# Altium PCB 3-as-manufactured.pcbdoc (part 7 of 12) (continued)
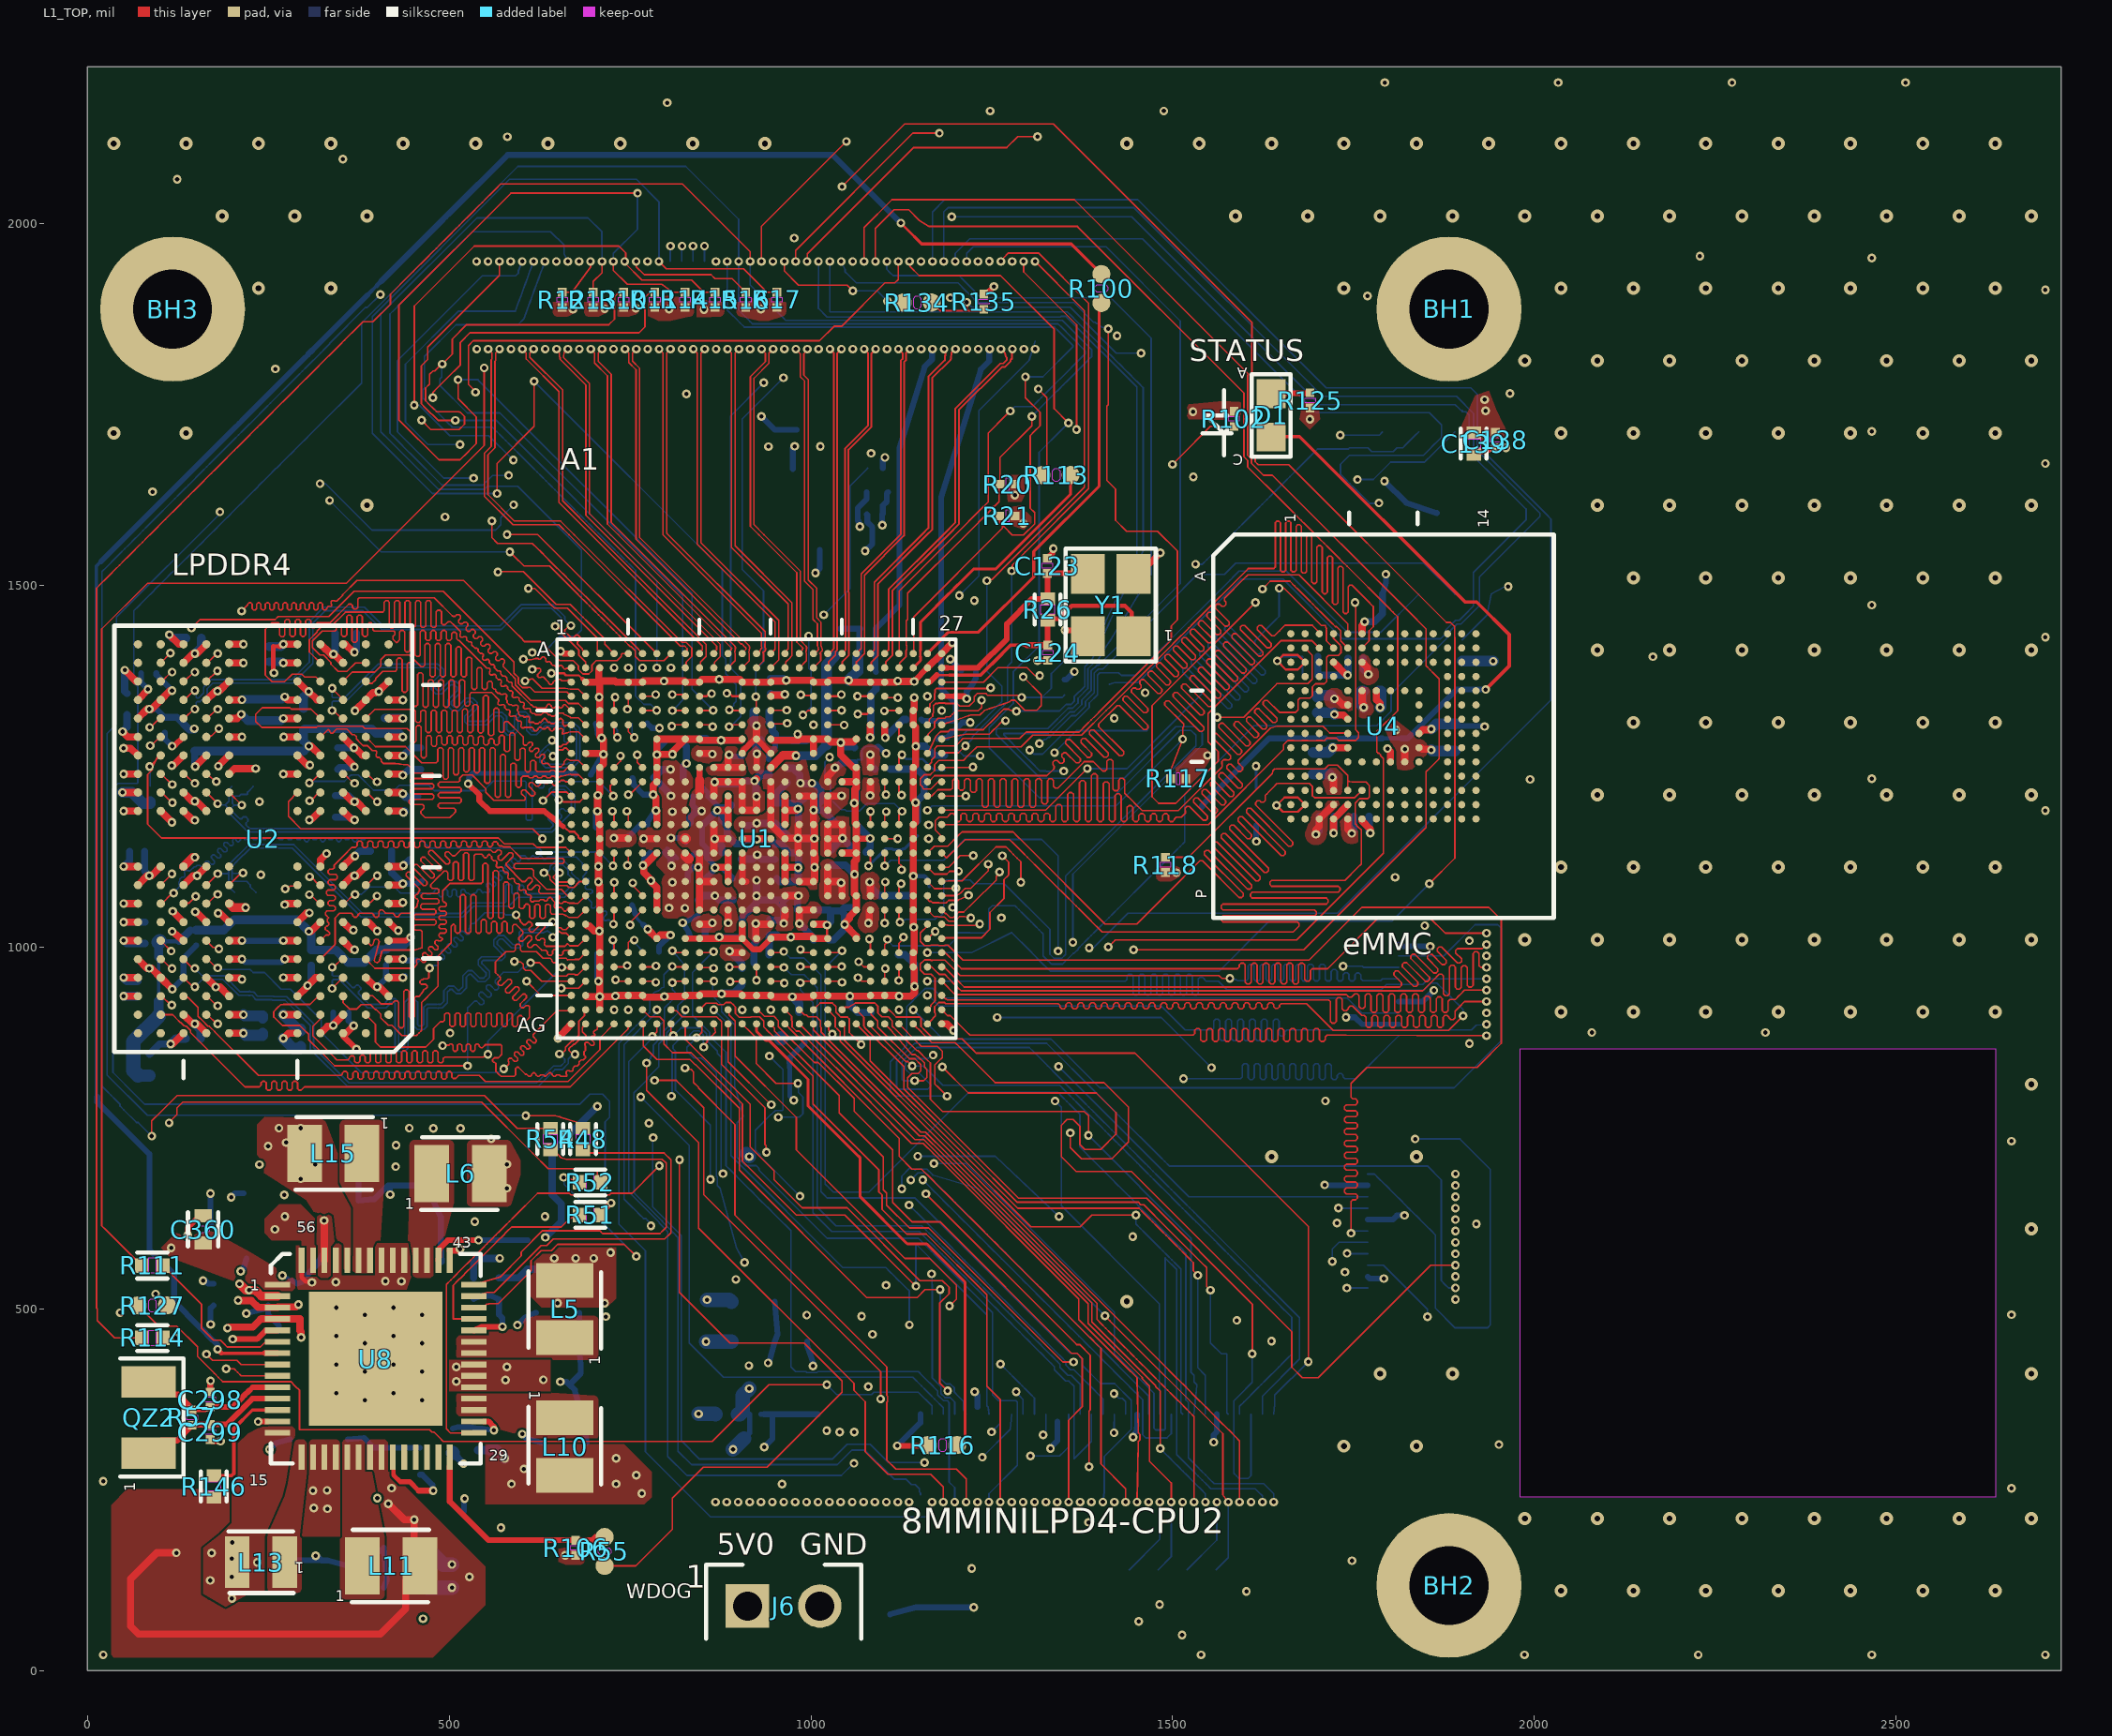
[diagram p0: L1_TOP view]
## Nets (pads, with @x,y where several pads share a name; then routed paths per layer and width w, separated by ;. In a path a pad name is that pad's centre, name@x,y a point inside that pad or via, vN(x,y) a via of type N, cw(c..) or ccw(c..) an arc to the next point about the centre after c; other vN are vias at no path point) (continued)
  other v1: 1042.25,1826.55
PCIE_TX_N: J4.69 U1.A20 | length 438.2
  L1_TOP w2.5: U1.A20@1043,1405.81 1043,1406.08 1047.94,1411.02 1047.94,1488.53 1047.43,1489.04 1047.43,1689.49 1079.09,1721.16 1079.09,1821.21 1074.15,1826.15 v1@1073.73,1826.15
  other v1: 1073.75,1826.55
PCIE_TX_P: J4.71 U1.B20 | length 459.9
  L1_TOP w2.5: U1.B20@1043,1386.12 1043.34,1386.46 1043.34,1394.37 1052.44,1403.47 1052.44,1490.39 1051.93,1490.9 1051.93,1687.63 1083.59,1719.29 1083.59,1820.65 1089.09,1826.15 v1@1089.47,1826.15
  other v1: 1089.49,1826.55
PDM_CLK: J5.65 U1.AC15 | length 888.1
  L1_TOP w2.2: U1.AC15@944.57,972.74 962.18,972.74 v1(962.88,972.04)
  L8_BOT w2.2: v1(962.88,972.04) 968.58,966.34 972.93,961.99 981.86,961.99 990.79,961.99 996.76,956.03 1002.72,950.06 1008.68,944.1 1008.68,935.18 1008.68,926.27 1008.68,917.35 1008.68,908.43 1008.68,899.51 1008.68,890.59 1008.68,881.68 1008.68,872.76 1008.68,863.84 1008.68,854.92 1008.68,846.01 1008.68,837.09 1008.68,828.17 1008.68,819.25 1008.68,810.33 1008.68,801.42 1008.68,792.5 1008.68,783.58 1008.68,774.66 1008.68,765.75 1008.68,756.83 1008.68,747.91 1008.68,738.99 1008.68,730.07 1008.68,721.16 1008.68,712.24 1008.68,703.32 1008.68,694.4 1008.68,685.49 1008.68,676.57 1008.68,667.65 1008.68,658.73 1008.68,649.82 1008.68,640.9 1013.86,635.72 1019.04,630.54 1024.22,625.36 1029.4,620.18 1034.58,615 1043.04,615 1051.5,615 1059.96,615 1068.43,615 1076.89,615 1085.35,615 1093.81,615 1102.28,615 1110.74,615 1119.2,615 1127.66,615 1136.13,615 1144.59,615 1153.05,615 1159.31,608.75 1165.56,602.49 1171.82,596.24 1178.07,589.98 1184.33,583.73 1190.58,577.47 1196.84,571.22 1203.1,564.96 1209.35,558.71 1215.61,552.45 1221.86,546.2 1228.12,539.94 1234.37,533.69 1240.63,527.43 1246.88,521.17 1253.14,514.92 1259.39,508.66 1265.65,502.41 1271.9,496.15 1278.16,489.9 1284.41,483.64 1290.67,477.39 1296.92,471.13 1303.18,464.88 1309.44,458.62 1315.69,452.37 1321.95,446.11 1328.2,439.86 1334.46,433.6 1340.71,427.35 1344.38,423.67 1344.38,419.15 1355.22,408.31 1359.75,408.31 1365.73,402.32 1371.99,396.07 1371.99,389.19 1371.99,382.31 1371.99,375.42 1371.99,368.54 J5.65@1371.99,354.53
PDM_DATA0: J5.67 U1.AD18 | length 978.6
  L1_TOP w2.2: v1(985.36,950.88) 987.53,953.05 U1.AD18@1003.63,953.05
  L8_BOT w2.2: v1(985.36,950.88) 985.35,941.18 991.19,935.34 997.03,929.5 1002.87,923.66 1002.87,914.85 1002.87,906.05 1002.87,897.24 1002.87,888.44 1002.87,879.64 1002.87,870.83 1002.87,862.03 1002.87,853.22 1002.87,844.42 1002.87,835.62 1002.87,826.81 1002.87,818.01 1002.87,809.2 1002.87,800.4 1002.87,791.6 1002.87,782.79 1002.87,773.99 1002.87,765.18 1002.87,756.38 1002.87,747.58 1002.87,738.77 1002.87,729.97 1002.87,721.16 1002.87,712.36 1002.87,703.56 1002.87,694.75 1002.87,685.95 1002.87,677.15 1002.87,668.34 1002.87,659.54 1002.87,650.73 1002.87,641.93 1002.87,633.13 1028.84,607.15 1037.48,607.15 1046.12,607.15 1054.76,607.15 1063.4,607.15 1072.04,607.15 1080.68,607.15 1089.32,607.15 1097.96,607.15 1106.6,607.15 1115.24,607.15 1123.88,607.15 1132.52,607.15 1141.16,607.15 1149.8,607.15 1156.09,600.86 1162.37,594.58 1168.66,588.29 1174.95,582 1181.24,575.71 1187.53,569.43 1193.81,563.14 1200.1,556.85 1206.39,550.56 1212.68,544.27 1218.96,537.99 1225.25,531.7 1231.54,525.41 1237.83,519.12 1244.11,512.84 1250.4,506.55 1256.69,500.26 1262.98,493.97 1269.27,487.69 1275.55,481.4 1281.84,475.11 1288.13,468.82 1294.42,462.53 1300.7,456.25 1306.99,449.96 1313.28,443.67 1319.57,437.38 1325.86,431.1 1332.14,424.81 1336.61,420.34 1336.61,415.93 1352,400.54 1356.41,400.54 1357.29,399.66 1363.58,393.37 1363.58,385.01 1363.58,376.65 1363.58,368.29 1363.58,359.93 1363.58,351.57 1363.58,343.21 1363.58,334.85 1363.58,326.49 1363.58,318.13 1363.58,309.77 1363.58,301.41 1363.58,293.05 1387.74,317.18 J5.67@1387.75,354.53
PDM_DATA1: J5.69 U1.AC14 | length 849.3
  L1_TOP w2.2: v1(924.89,954.26) U1.AC14@924.89,972.74
  L3_INNER1 w2.2: v1(924.89,954.26) 1018.59,860.56 1018.59,715 1018.59,709.73 1081.62,646.7 1084.57,643.74 v1(1135.84,643.74)
  L8_BOT w2.2: v1@1135.84,643.74 1142.22,637.36 1148.59,630.99 1154.96,624.62 1161.33,618.25 1167.71,611.87 1174.08,605.5 1180.45,599.13 1186.82,592.76 1193.2,586.38 1199.57,580.01 1205.94,573.64 1212.31,567.27 1218.69,560.9 1225.06,554.52 1231.43,548.15 1237.8,541.78 1244.17,535.41 1250.55,529.03 1256.92,522.66 1263.29,516.29 1269.66,509.92 1276.04,503.54 1282.41,497.17 1288.78,490.8 1295.15,484.43 1301.53,478.05 1307.9,471.68 1314.27,465.31 1320.64,458.94 1327.02,452.56 1333.39,446.19 1339.76,439.82 1346.13,433.45 1352.38,427.2 1352.38,422.46 1358.53,416.31 1363.27,416.31 1365.25,414.33 1371.62,407.96 1377.99,401.59 1384.37,395.21 1390.74,388.84 1397.11,382.47 1403.48,376.1 J5.69@1403.5,354.53
PDM_DATA2: J5.71 U1.AD13 | length 1403.6
  L1_TOP w2.2: v1(888.54,952.37) 888.88,952.71 904.87,952.71 U1.AD13@905.21,953.05
  L6_INNER2 w2.2: v1(782,737) 782,738.9 861.3,818.2 861.3,872.48 888.54,899.72 v1(888.54,952.37) ; v1(1157,288) 1178,267 1334,267 1400.99,333.99 1411.46,333.99 1416.45,329 v1(1419,329)
  L8_BOT w2.2: v1(782,737) 781.36,736.36 781.36,641.24 820.89,601.71 820.89,318.11 846.36,292.64 1029.64,292.64 1050,313 1082,313 1107,288 v1(1157,288) ; v1(1419,329) 1419,344.29 1419.24,344.53 J5.71@1419.24,354.53
PDM_DATA3: J5.73 U1.AC13 | length 1251.6
  L1_TOP w2.2: v1(784,816) 814,816 851.95,778.05 851.95,715 851.95,658.05 1096.41,413.59 v1(1096.41,375.76) ; v1(887.35,972.58) 887.5,972.74 U1.AC13@905.21,972.74
  L3_INNER1 w2.2: v1(784,816) 806.76,838.76 810.22,838.76 832.7,861.24 832.7,905.21 837.65,910.16 837.65,964.39 855.74,982.48 877.45,982.48 v1(887.35,972.58)
  L6_INNER2 w2.2: v1(1096.41,375.76) 1155.47,316.7 1352.7,316.7 v1(1419,383)
  L8_BOT w2.2: v1(1419,383) 1425.46,376.54 1430.44,376.54 1434.99,371.99 J5.73@1434.99,354.53
PMIC_NINT: U1.AF13 U8.13 | length 1580.4
  L1_TOP w8.05: v1(236.22,344.49) 236.33,344.6 U8.13@249.38,344.6
  L3_INNER1 w2.2: v1(236.22,344.49) 301.88,278.83 507.17,278.83 553.83,232.17 792.17,232.17 805,245 805,637.38 857.87,690.24 863.84,696.21 869.7,702.07 904.32,702.07 905.03,701.36 939.65,701.36 v1(984.96,656.05) ; v1(905.21,913.68) 905.21,887.13 v1(942.63,849.72)
  L8_BOT w2.2: v1(942.63,849.72) 955.08,837.26 961.31,831.03 961.31,791.01 961.31,783 961.31,775.22 961.07,774.99 960.53,774.44 951.03,774.44 945.37,768.79 944.6,768.79 923.06,747.25 923.06,720.09 928.15,715 929.31,713.84 929.31,711.71 v1(984.96,656.05)
PMIC_ON_REQ: J4.48 R51.1 U1.A24 | length 3888.2
  L1_TOP w2.2: U1.A24@1122,1406.98 1122,1492.3 1199.7,1570 1236.15,1606.45 1242.49,1612.79 1245.04,1615.34 1245.04,1710.55 1269.14,1734.65 v1(1275.5,1741.01)
  L1_TOP w8.05: R51.1@709.76,630 709.76,632.27 v1@724,646.51
  L8_BOT w2.2: v1(724,646.51) 715.75,654.76 715.75,758.74 721.87,764.87 721.87,786.99 711.99,796.87 694.49,796.87 680.55,782.94 79.57,782.94 67.39,795.12 35.53,827 35.53,1219.31 42.66,1226.45 56.26,1226.45 69.17,1226.45 69.86,1227.14 69.86,1288.49 69.86,1341.67 69.86,1350.54 69.86,1359.4 64.46,1364.81 64.46,1389.87 64.46,1398.22 64.46,1456.69 64.46,1465.05 70.71,1471.3 76.96,1477.55 83.21,1483.8 89.46,1490.05 95.71,1496.3 101.96,1502.56 108.22,1508.81 114.47,1515.06 120.72,1521.31 126.97,1527.56 133.22,1533.81 139.47,1540.06 145.72,1546.31 151.98,1552.57 158.23,1558.82 164.48,1565.07 170.73,1571.32 176.98,1577.57 183.23,1583.82 189.48,1590.07 195.73,1596.33 201.99,1602.58 208.24,1608.83 214.49,1615.08 220.74,1621.33 226.99,1627.58 233.24,1633.83 239.49,1640.08 245.75,1646.34 252,1652.59 258.25,1658.84 264.5,1665.09 270.75,1671.34 277,1677.59 283.25,1683.84 289.5,1690.1 295.76,1696.35 302.01,1702.6 308.26,1708.85 314.51,1715.1 379,1779.59 379,1862.85 595.17,2079.02 826.98,2079.02 900.19,2005.81 v1(900.27,1947.75) 900.18,1880.51 905.43,1875.26 910.67,1870.02 915.91,1864.78 919.16,1861.53 1341.63,1861.53 1347.26,1855.9 1358.53,1844.63 1364.16,1839 1375.43,1827.73 1379.25,1823.91 1379.25,1820.27 1374.83,1815.85 1362.37,1803.39 1356.13,1797.15 1349.9,1790.92 1337.43,1778.45 1331.2,1772.22 1324.97,1765.99 1318.73,1759.75 1312.5,1753.52 1306.27,1747.29 1298.1,1747.29 1281.78,1747.29 ; v1(1275.5,1741.01) 1281.77,1747.28
PMIC_STBY_REQ: R52.1 U1.E24 | length 4044.7
  L1_TOP w2.2: v1(113.26,757.19) 113.26,758.26 123.89,768.89 123.89,777.8 126.32,780.24 132.08,786 545,786 616,715 637,694 700.07,694 704.78,689.29 704.78,679.98 R52.1@709.76,675 ; v1(1101.58,1326.51) 1102.13,1327.06 U1.E24@1121.74,1327.06
  L3_INNER1 w2.2: v1(113.26,757.19) 113.26,758.26 102.63,768.89 102.63,777.8 99.44,780.99 93.17,787.26 86.9,793.53 80.63,799.8 74.36,806.07 68.09,812.34 61.82,818.61 55.55,824.88 49.28,831.15 43.01,837.42 36.74,843.69 30.47,849.96 24.2,856.23 17.93,862.5 11.67,868.77 11.67,877.78 11.67,886.79 11.67,895.8 11.67,904.81 11.67,913.82 11.67,922.83 11.67,931.84 11.67,940.84 11.67,949.85 11.67,958.86 11.67,967.87 11.67,976.88 11.67,985.89 11.67,994.9 11.67,1003.91 11.67,1012.92 11.67,1021.93 11.67,1030.94 11.67,1039.95 11.67,1048.96 11.67,1057.97 11.67,1066.98 11.67,1075.99 11.67,1085 11.67,1094.01 11.67,1103.01 11.67,1112.02 11.67,1121.03 11.67,1130.04 11.67,1139.05 11.67,1148.06 11.67,1157.07 11.67,1166.08 11.67,1175.09 11.67,1184.1 11.67,1193.11 11.67,1202.12 11.67,1211.13 11.67,1220.14 11.67,1229.15 11.67,1238.16 11.67,1247.17 11.67,1256.17 11.67,1265.18 11.67,1274.19 11.67,1283.2 11.67,1292.21 11.67,1301.22 11.67,1310.23 11.67,1319.24 11.67,1328.25 11.67,1337.26 11.67,1346.27 11.67,1355.28 11.67,1364.29 11.67,1373.3 11.67,1382.31 11.67,1391.32 11.67,1400.33 11.67,1409.34 11.67,1418.34 11.67,1427.35 11.67,1436.36 11.67,1445.37 11.67,1454.38 11.67,1463.39 11.67,1472.4 11.67,1481.41 11.67,1490.42 11.67,1499.43 11.67,1508.44 11.67,1517.45 11.67,1526.46 11.67,1535.47 11.67,1544.48 11.67,1553.49 11.67,1562.5 11.67,1571.51 11.67,1580.51 11.67,1589.52 11.67,1598.53 11.67,1607.54 11.67,1616.55 11.67,1625.56 11.67,1634.57 11.67,1643.58 11.67,1652.59 11.67,1661.6 11.67,1670.61 11.67,1679.62 11.67,1688.63 11.67,1697.64 11.67,1706.65 11.67,1715.66 11.67,1724.67 11.67,1733.68 11.67,1742.68 11.67,1751.69 11.67,1760.7 11.67,1769.71 11.67,1778.72 11.67,1787.73 11.67,1796.74 11.67,1805.75 11.67,1814.76 11.67,1823.77 11.67,1832.78 11.67,1841.79 11.67,1850.8 11.67,1859.81 11.67,1868.82 11.67,1877.83 11.67,1886.84 11.67,1895.84 11.67,1904.85 11.67,1913.86 11.67,1922.87 17.84,1929.05 24.01,1935.22 30.18,1941.39 36.35,1947.56 42.52,1953.73 48.7,1959.9 54.87,1966.08 61.04,1972.25 67.21,1978.42 73.38,1984.59 79.56,1990.76 85.73,1996.94 91.9,2003.11 98.07,2009.28 104.24,2015.45 110.42,2021.62 116.59,2027.8 122.76,2033.97 128.93,2040.14 135.1,2046.31 141.28,2052.48 147.45,2058.66 153.62,2064.83 159.79,2071 164.29,2071 168.78,2071 177.76,2071 186.75,2071 195.73,2071 204.71,2071 213.69,2071 222.68,2071 231.66,2071 240.64,2071 249.62,2071 258.6,2071 267.59,2071 276.57,2071 285.55,2071 294.53,2071 303.51,2071 312.5,2071 321.48,2071 330.46,2071 339.44,2071 348.42,2071 357.41,2071 366.39,2071 375.37,2071 384.35,2071 393.33,2071 402.32,2071 411.3,2071 420.28,2071 429.26,2071 438.24,2071 447.23,2071 456.21,2071 465.19,2071 474.17,2071 483.15,2071 492.14,2071 501.12,2071 510.1,2071 519.08,2071 528.06,2071 537.05,2071 546.03,2071 555.01,2071 563.99,2071 572.97,2071 581.96,2071 590.94,2071 599.92,2071 608.9,2071 617.88,2071 626.87,2071 635.85,2071 644.83,2071 653.81,2071 662.8,2071 671.78,2071 680.76,2071 689.74,2071 698.72,2071 707.71,2071 716.69,2071 725.67,2071 734.65,2071 743.63,2071 752.62,2071 761.6,2071 770.58,2071 779.56,2071 788.54,2071 797.53,2071 806.51,2071 815.49,2071 824.47,2071 833.45,2071 842.44,2071 851.42,2071 860.4,2071 869.38,2071 878.36,2071 887.35,2071 896.33,2071 905.31,2071 914.29,2071 923.27,2071 932.26,2071 941.24,2071 950.22,2071 959.2,2071 968.18,2071 977.17,2071 986.15,2071 995.13,2071 1004.11,2071 1013.09,2071 1022.08,2071 1031.06,2071 1040.04,2071 1049.02,2071 1058,2071 1066.99,2071 1075.97,2071 1084.95,2071 1093.93,2071 1102.92,2071 1111.9,2071 1120.88,2071 1129.86,2071 1138.84,2071 1147.83,2071 1156.81,2071 1165.79,2071 1174.77,2071 1183.75,2071 1192.74,2071 1201.72,2071 1210.7,2071 1216.78,2064.92 1222.86,2058.84 1228.94,2052.76 1235.02,2046.68 1241.09,2040.6 1247.17,2034.52 1253.25,2028.44 1259.33,2022.36 1265.41,2016.28 1271.49,2010.21 1277.57,2004.13 1283.65,1998.05 1289.73,1991.97 1295.8,1985.89 1301.88,1979.81 1307.96,1973.73 1314.04,1967.65 1320.12,1961.57 1326.2,1955.5 1332.28,1949.42 1332.28,1940.52 1332.28,1931.62 1332.28,1922.72 1332.28,1913.82 1332.28,1904.92 1332.28,1896.02 1332.28,1887.12 1332.28,1878.22 1332.28,1869.32 1332.28,1860.42 1332.28,1851.53 1332.28,1842.63 1332.28,1833.73 1332.28,1824.83 1332.28,1815.93 1332.28,1807.03 1332.28,1798.13 1332.28,1789.23 1332.28,1780.33 1332.28,1771.43 1332.28,1762.53 1332.28,1753.64 1332.28,1744.74 1332.28,1735.84 1332.28,1726.94 1332.28,1718.04 1332.28,1709.14 1332.28,1700.24 1332.28,1691.34 1332.28,1682.44 1332.28,1673.54 1332.28,1664.64 1332.28,1655.74 1332.28,1646.85 1332.28,1637.95 1326.02,1631.67 1319.75,1625.4 1313.48,1619.14 1307.22,1612.87 1300.95,1606.61 1294.69,1600.34 1288.42,1594.08 1282.16,1587.81 1275.89,1581.54 1269.62,1575.28 1263.36,1569.01 1257.09,1562.75 1250.83,1556.48 1244.56,1550.21 1238.29,1543.95 1232.03,1537.68 1225.76,1531.42 1219.5,1525.15 1213.23,1518.88 1206.96,1512.62 1200.7,1506.35 1194.43,1500.09 1188.17,1493.82 1181.9,1487.56 1175.64,1481.29 1169.37,1475.02 1163.1,1468.76 1156.84,1462.49 1150.57,1456.23 1144.31,1449.96 1138.04,1443.69 1131.77,1437.43 1125.51,1431.16 1119.24,1424.9 1112.98,1418.63 1106.71,1412.36 1106.71,1403.39 1106.71,1394.42 1106.71,1385.45 1106.71,1376.48 1106.71,1367.51 1106.71,1358.54 1106.71,1349.57 1106.71,1340.6 1106.71,1331.63 v1(1101.58,1326.51)
POR_B: J4.50 R20.2 R114.2 U1.B24 | length 3371
  L1_TOP w2.2: 12.83,501 12.83,605.68 12.83,1496.21 19.18,1502.56 25.53,1508.91 31.87,1515.25 38.22,1521.6 44.57,1527.95 50.91,1534.29 57.26,1540.64 63.6,1546.98 69.95,1553.33 76.3,1559.68 82.64,1566.02 88.99,1572.37 95.33,1578.72 101.68,1585.06 108.03,1591.41 114.37,1597.75 120.72,1604.1 127.07,1610.45 133.41,1616.79 139.76,1623.14 152.45,1635.83 158.8,1642.18 165.14,1648.52 171.49,1654.87 177.84,1661.22 184.18,1667.56 190.53,1673.91 196.87,1680.25 203.22,1686.6 209.57,1692.95 215.91,1699.29 222.26,1705.64 228.6,1711.98 234.95,1718.33 241.3,1724.68 247.64,1731.02 253.99,1737.37 260.34,1743.72 266.68,1750.06 273.03,1756.41 279.37,1762.75 285.72,1769.1 298.41,1781.79 304.76,1788.14 311.1,1794.49 317.45,1800.83 323.8,1807.18 330.14,1813.52 336.49,1819.87 342.84,1826.22 349.18,1832.56 355.53,1838.91 361.87,1845.25 368.22,1851.6 374.57,1857.95 380.91,1864.29 394.85,1864.29 418.95,1888.39 418.95,1902.33 444.37,1927.75 450.72,1934.1 457.07,1940.45 463.41,1946.79 469.76,1953.14 476.11,1959.49 482.45,1965.83 488.8,1972.18 495.14,1978.52 501.49,1984.87 507.84,1991.22 514.18,1997.56 520.53,2003.91 526.87,2010.26 533.22,2016.6 539.57,2022.95 545.91,2029.29 552.26,2035.64 558.61,2041.99 564.95,2048.33 571.3,2054.68 822.6,2054.68 916.02,1961.25 v1(916.02,1947.75) ; 14.02,501 14.02,483.98 38,460 R114.2@75.24,460 ; U1.B24@1121.74,1386.12 1122.89,1387.28 1122.89,1393.04 1131.58,1401.73 1131.58,1409.89 1132.28,1410.59 1132.28,1416.98 1131.9,1417.36 1131.9,1418.53 1131.9,1451.35 1133.79,1453.24 1133.79,1489.26 1214.53,1570 1247.94,1603.41 1247.94,1604.99 1252.1,1609.15 1253.68,1609.15 1260,1615.47 1260,1638.53 R20.2@1261.38,1639.9 ; R20.2@1261.38,1639.9 1261.38,1676.78 1305.4,1720.8 v1(1305.4,1733.65)
  L8_BOT w2.2: v1(916.02,1947.75) 916.02,1915.25 961.88,1869.39 965.11,1866.17 1347.69,1866.17 1353.33,1860.53 1375.88,1837.98 1381.52,1832.34 1387.16,1826.7 1387.99,1825.87 1387.99,1816.24 1386.55,1814.81 1380.31,1808.57 1355.34,1783.6 1349.1,1777.36 1342.86,1771.11 1336.61,1764.87 1317.89,1746.14 1311.64,1739.9 v1(1305.4,1733.65)
QSPIA_DATA0: U1.P23 U5.5 | length 1128.5
  L1_TOP w2.2: U1.P23@1102.05,1149.9 v1(1119.9,1149.9)
  L3_INNER1 w2.2: v1@1119.9,1149.9 1129.1,1159.1 1166.77,1159.1 1184.92,1140.95 1224.63,1140.95 1243.07,1159.38 1460.47,1159.38 1685.2,1384.11 1685.2,1549.6 1767.87,1632.27 1767.87,1651.54 1731.48,1687.93 1731.48,1696.87 v1(1731.48,1707.77)
  L8_BOT w2.2: v1(1731.48,1707.77) 1742,1707.77 1785.56,1707.77 U5.5@1789.99,1712.2
QSPIA_DATA1: U1.K24 U5.2 | length 982.7
  L1_TOP w2.2: U1.K24@1121.74,1228.64 1121.74,1213.9 v1(1125.48,1210.16)
  L3_INNER1 w2.2: v1(1125.48,1210.16) 1129.72,1214.4 1171.26,1214.4 1194.66,1191 1225,1191 1238.69,1191 1262.09,1214.4 1307.92,1260.23 ; 1307.93,1260.23 1315.19,1267.49 1315.19,1269.59 1316.73,1271.13 1316.73,1280.76 v1(1315.9,1281.59)
  L8_BOT w2.2: v1(1315.9,1281.59) 1317.4,1281.59 1322.91,1287.11 1325.09,1287.11 1328.08,1290.1 1329.92,1290.1 1359.82,1319.99 1366.19,1319.99 1379.49,1333.29 1379.49,1339.66 1391.6,1351.77 1391.6,1378.85 1397.37,1384.62 1403.58,1384.62 1488.57,1469.62 1494.81,1475.85 1534.12,1515.16 1571.4,1515.16 1587.08,1530.84 1661.05,1530.84 1846.96,1530.84 U5.2@1890,1487.8
QSPIA_DATA2: U1.K23 U5.3 | length 966.9
  L1_TOP w2.2: U1.K23@1102.05,1228.64 1102.05,1212.48 v1(1103.67,1210.86)
  L3_INNER1 w2.2: v1(1103.67,1210.86) 1109.37,1216.56 1118.28,1225.46 1225,1225.46 1244.53,1225.46 1291.57,1272.5 v1(1302.42,1272.5)
  L8_BOT w2.2: v1(1302.42,1272.5) 1308.01,1266.92 1320.48,1266.92 1384.69,1331.13 1384.69,1337.51 1396,1348.82 1396,1375.9 1399.52,1379.42 1425.4,1379.42 1429.12,1375.7 1447.59,1375.7 1478.91,1407.02 1485.17,1413.28 1579.14,1507.24 1585.4,1513.51 1591.66,1519.77 1656.93,1519.77 1741.53,1435.17 1787.38,1435.17 U5.3@1840,1487.79
QSPIA_DATA3: U1.N23 U5.7 | length 1034.5
  L1_TOP w2.2: U1.N23@1102.05,1169.58 1102.05,1185.11 v1(1104.24,1187.3)
  L3_INNER1 w2.2: v1(1104.24,1187.3) 1109.34,1182.19 1114.46,1177.08 1119.57,1171.97 1127.38,1171.97 1135.19,1171.97 1143,1171.97 1150.64,1179.61 1167.46,1179.61 1176.45,1179.61 1185.45,1179.61 1194.44,1179.61 1203.44,1179.61 1212.43,1179.61 1221.43,1179.61 1230.42,1179.61 1239.42,1179.61 1248.41,1179.61 1257.41,1179.61 1266.4,1179.61 1272.71,1185.92 1279.02,1192.23 1285.32,1198.53 1291.63,1204.84 1297.94,1211.15 1304.24,1217.45 1310.55,1223.76 1316.86,1230.07 1323.16,1236.38 1329.47,1242.68 1335.78,1248.99 1342.08,1255.3 1348.39,1261.6 1354.7,1267.91 1361.01,1274.22 1367.31,1280.52 1373.62,1286.83 1379.93,1293.14 1386.23,1299.45 1392.54,1305.75 1398.85,1312.06 1405.15,1318.37 1411.46,1324.67 1417.77,1330.98 1424.08,1337.29 1430.38,1343.59 1436.69,1349.9 1443,1356.21 1449.3,1362.52 1455.61,1368.82 1461.92,1375.13 1468.22,1381.44 1474.53,1387.74 1480.84,1394.05 1487.15,1400.36 1493.45,1406.66 1499.76,1412.97 1506.07,1419.28 1512.37,1425.59 1518.68,1431.89 1524.99,1438.2 1531.29,1444.51 1537.6,1450.81 1543.91,1457.12 1550.22,1463.43 1556.52,1469.73 1562.83,1476.04 1569.14,1482.35 1575.44,1488.66 1581.75,1494.96 1588.06,1501.27 1594.36,1507.58 1600.67,1513.88 1606.98,1520.19 1613.29,1526.5 1619.59,1532.8 1625.9,1539.11 1632.21,1545.42 1638.51,1551.73 1644.82,1558.03 1651.13,1564.34 1657.43,1570.65 1663.74,1576.95 1670.05,1583.26 1676.36,1589.57 1682.66,1595.87 1688.97,1602.18 1695.28,1608.49 1701.58,1614.8 1707.89,1621.1 1714.2,1627.41 1720.5,1633.72 1726.81,1640.02 1733.12,1646.33 1743.72,1646.33 v1(1755.3,1646.33)
  L8_BOT w2.2: v1(1755.3,1646.33) 1764.42,1646.33 1777.17,1646.33 1801.18,1670.34 1848.12,1670.34 1850.92,1673.13 1856.5,1678.71 1862.08,1684.29 1867.66,1689.87 1873.24,1695.45 1878.82,1701.03 1884.41,1706.62 U5.7@1889.99,1712.2
QSPIA_NSS0: R37.2 U1.N24 U5.1 | length 1533.9
  L1_TOP w2.2: U1.N24@1121.74,1169.58 1121.74,1183.63 v1(1125.97,1187.86)
  L3_INNER1 w2.2: v1(1025.87,1262.55) 1038.78,1262.55 1055.49,1245.84 1078.74,1245.84 1087.04,1245.85 1095.33,1245.85 1103.62,1245.85 1111.91,1245.85 1120.2,1245.85 1128.49,1245.85 1136.78,1245.85 1145.07,1245.85 1153.36,1245.85 1159.56,1252.05 1165.77,1258.25 1171.97,1264.45 1178.17,1270.65 1184.37,1276.85 1190.57,1283.05 1196.77,1289.25 1202.97,1295.45 1210.59,1295.45 1218.21,1295.45 1225.83,1295.45 1232.06,1301.68 1238.3,1307.92 1244.53,1314.15 1250.76,1320.38 1257,1326.62 1263.23,1332.85 1269.46,1339.08 1275.7,1345.31 1281.93,1351.55 1288.16,1357.78 1289.53,1359.16 1317.95,1359.16 1677.37,1718.58 1684.54,1718.58 1691.72,1718.58 1699.5,1718.58 1707.29,1718.58 1715.07,1718.58 1722.86,1718.58 1730.65,1718.58 1738.43,1718.58 1958.58,1498.44 v1(1963.65,1498.44)
  L8_BOT w2.2: v1(1025.87,1262.55) 1019.39,1256.06 1019.39,1233.48 1027.19,1225.67 1027.19,1218.7 1027.19,1211.72 1027.19,1204.75 1033.2,1198.74 1039.22,1192.72 1041.76,1190.18 1047.36,1190.18 1049.18,1188.36 1067.13,1188.36 1071.41,1192.64 1077.34,1198.57 1084.92,1198.57 1092.5,1198.57 1100.08,1198.57 1107.66,1198.57 1115.25,1198.57 v1(1125.97,1187.86) ; R37.2@1900,1424.76 1934.24,1459.01 U5.1@1940,1487.8 1959.16,1498.43 v1(1963.65,1498.44)
QSPIA_SCLK: U1.N22 U5.6 | length 1047.2
  L1_TOP w2.2: U1.N22@1082.37,1169.58 v1(1082.37,1187.47)
  L3_INNER1 w2.2: v1(1082.37,1187.47) 1076.67,1193.15 1076.67,1199.03 1071.82,1203.88 1066.98,1208.72 1062.13,1213.57 1085.09,1236.53 1155.57,1236.53 1161.34,1242.3 1167.11,1248.07 1172.88,1253.84 1178.65,1259.61 1184.42,1265.38 1190.19,1271.15 1195.96,1276.92 1201.73,1282.69 1207.5,1288.46 1214.02,1288.46 1220.55,1288.46 1227.07,1288.46 ; 1227.09,1288.47 1227.09,1288.59 1232.97,1294.48 1238.86,1300.36 1244.75,1306.25 1250.64,1312.14 1256.52,1318.03 1262.41,1323.91 1271.05,1323.91 1278.46,1316.51 1318.8,1316.51 1525.5,1523.21 v1(1531.6,1529.31)
  L8_BOT w2.2: v1(1531.6,1529.31) 1540.86,1529.31 1540.99,1529.31 1547.36,1535.68 1553.73,1542.05 1560.1,1548.42 1566.47,1554.79 1572.84,1561.16 1579.21,1567.53 1585.58,1573.9 1591.95,1580.27 1598.32,1586.64 1604.69,1593.01 1611.06,1599.38 1617.43,1605.75 1623.8,1612.12 1630.17,1618.49 1636.54,1624.86 1642.91,1631.23 1649.28,1637.6 1655.65,1643.97 1662.02,1650.34 1668.39,1656.71 1674.76,1663.08 1681.13,1669.45 1687.5,1675.82 1693.87,1682.19 1700.24,1688.56 1709.17,1688.56 1718.1,1688.56 1727.04,1688.56 1735.97,1688.56 1742.79,1688.56 1744.4,1690.17 1769.99,1690.17 1775.06,1685.1 1804.94,1685.1 1810.01,1690.17 1817.96,1690.17 1822.26,1694.47 1828.17,1700.38 1834.08,1706.29 U5.6@1839.99,1712.2
R_SNSP1: R142.2 R143.1 U8.38 | length 117
  L1_TOP w8.05: U8.38@534.52,470.6 545.24,475.51 ; 545.25,475.52 563.92,475.52 v1(573.79,475.52)
  L8_BOT w8.05: R143.1@534,514 544.3,517.97 559.05,517.97 R142.2@569,513.48 569.02,492.4 573.79,487.62 ; v1(573.79,475.52) 573.79,487.61
R_SNSP2: R140.2 R141.1 U8.44 | length 143.3
  L1_TOP w8.05: U8.44@485.3,567.06 487.23,584.03 498.33,595.13 v1(540.81,595.13)
  L8_BOT w8.05: v1(540.81,595.13) 540.92,595.24 574.99,595.24 R141.1@608.78,595.24
R_SNSP3_CFG: R144.2 R145.1 U8.30 | length 79.4
  L1_TOP w8.05: U8.30@548,344.6 554.47,344.6 562.04,337.02 v1(562.04,332.46)
  L8_BOT w8.05: R145.1@505,334.76 511.62,336.75 530,336.75 R144.2@540,334.76 545.98,334.76 v1(562.04,332.46)
REF_CLK_32K: R116.1 U1.AG14 | length 724.5
  L1_TOP w4: U1.AG14@924.89,893.99 924.89,883.87 937.71,871.06 941.98,871.06 942.19,871.27 996.18,817.27 996.18,780.77 1061.95,715 1068.13,708.82 1068.13,655.3 1132.22,591.22 1133.46,589.97 1160.21,589.97 1213,537.18 1213,323.85 1202,312.85 R116.1@1202,312
RTC_RESET_B: R102.2 R111.2 U1.F24 | length 3231.4
  L1_TOP w2.2: R111.2@75.24,560 69.11,566.13 62.98,572.26 26.23,609.01 20.11,615.14 20.11,1430.73 20.11,1439.76 83.45,1503.1 358.23,1503.1 548.57,1693.44 v1(548.57,1800.54) ; U1.F24@1121.74,1307.38 1121.74,1291 v1(1124.88,1287.85) ; v1(1499.62,1667.23) 1508.37,1675.98 1552.16,1719.76 R102.2@1584.74,1719.76
  L3_INNER1 w2.2: v1(548.57,1800.54) 654.19,1800.54 723.33,1731.4 729.62,1725.12 748.48,1706.26 754.76,1699.97 886.76,1567.98 893.05,1561.69 911.9,1542.83 918.19,1536.55 1018.83,1435.91 1018.83,1301.77 1022.73,1297.87 1026.71,1293.9 1066.45,1293.9 1071.58,1299.03 1076.71,1304.16 1107.26,1304.16 1118.52,1292.89 v1(1124.88,1287.85) 1133.96,1287.85 1147.65,1301.55 1197.18,1301.55 1218.9,1323.26 1246.29,1323.26 ; 1246.51,1323.1 1255.7,1332.3 1261.85,1338.45 1274.15,1350.75 1280.3,1356.9 1280.3,1391.63 1286.58,1397.9 1292.86,1404.18 1299.13,1410.45 1317.96,1429.28 1324.24,1435.56 1330.52,1441.84 1336.79,1448.11 1343.07,1454.39 1349.34,1460.67 1355.62,1466.94 1361.9,1473.22 1368.17,1479.5 1374.45,1485.77 1393.28,1504.6 1399.56,1510.88 1405.83,1517.15 1412.11,1523.43 1418.39,1529.71 1437.22,1548.54 1443.49,1554.81 1449.77,1561.09 1456.04,1567.37 1462.32,1573.64 1481.15,1592.47 1487.43,1598.75 1487.43,1612.83 1493.71,1619.1 1493.71,1661.32 v1(1499.62,1667.23)
SAI1_MCLK: J5.98 U1.AB18 | length 2135.4
  L1_TOP w2.2: v1(985.65,996.85) 990.08,992.42 U1.AB18@1003.63,992.42
  L3_INNER1 w2.2: v1(985.65,996.85) 998.59,1009.8 998.59,1036.59 987.21,1047.98 957.98,1047.98 950,1040 950,997.2 913.4,960.6 913.4,943.46 935.01,921.84 935.01,901.44 996.45,840 996.45,715 996.45,702.88 1157.44,541.89 1158.54,541.89 1159.04,541.6 1167.09,537.02 1184.69,537.02 1185.98,538.31 1185.98,685.02 v1(1170,701)
  L8_BOT w2.2: v1(1170,701) 1213.79,701 1419.38,495.42 1419.38,438.5 1425.64,432.24 1431.7,426.18 1437.76,420.12 1443.81,414.07 1449.87,408.01 1455.93,401.95 1461.99,395.89 1468.05,389.83 1474.11,383.77 1474.11,374.96 1474.11,366.14 1474.11,357.33 1474.11,348.52 1474.11,339.7 1474.11,335.05 1476.31,332.85 1488.29,332.85 1489.57,334.12 1489.57,340.92 1489.57,349.75 1489.57,358.59 1489.57,367.42 1489.57,376.25 1489.57,385.08 1489.57,393.92 1489.57,402.75 1489.57,411.58 1489.57,420.41 1489.57,429.24 1489.57,438.08 1489.57,446.91 1489.57,455.74 1489.57,464.57 1489.57,473.4 1489.57,482.24 1489.57,491.07 1489.57,499.9 1489.57,508.73 1489.57,517.56 1489.57,526.4 1489.57,535.23 1489.57,544.06 1489.57,552.89 1489.57,561.73 1489.57,570.56 ; 1489.58,570.56 1494.85,565.29 1500.12,560.02 1505.39,554.75 1505.39,545.93 1505.39,537.12 1505.39,528.3 1505.39,519.48 1505.39,510.67 1505.39,501.85 1505.39,493.04 1505.39,484.22 1505.39,475.4 1505.39,466.59 1505.39,457.77 1505.39,448.95 1505.39,440.14 1505.39,431.32 1505.39,422.5 1505.39,413.69 1505.39,404.87 1505.39,396.05 1505.39,387.24 1505.39,378.42 1505.39,369.6 1505.39,360.79 1505.39,351.97 1505.39,343.15 1505.39,334.34 1505.39,325.52 1505.39,316.7 1505.39,307.89 1505.39,299.07 1511.3,293.16 1517.21,287.25 1523.12,281.34 1529.02,275.44 1534.93,269.53 1540.84,263.62 1546.75,257.71 1552.66,251.8 1561.43,251.8 1570.21,251.8 1578.98,251.8 1587.75,251.8 1596.53,251.8 1605.3,251.8 1614.08,251.8 1619.02,246.86 1623.96,241.91 v1(1623.97,233.27)
SAI1_RXC: J5.76 U1.AF16 | length 895.8
  L1_TOP w2.2: U1.AF16@964.26,913.68 973.4,904.54 973.4,898.77 974.1,898.07 974.1,889.91 979.87,884.15 984.2,884.15 1083.08,785.26 1083.08,784.98 1139.05,729 1155.15,729 1169.15,715 1370.29,513.86 1370.29,485.59 1435.01,420.87 1450.73,405.15 1452.58,329.87 1452.61,328.99 1454.75,326.85 1454.75,319.14 1453.08,317.47 1452.45,316.85 1452.44,315.96 v1(1450.74,233.27)
SAI1_RXD0: J5.78 U1.AG15 | length 926.6
  L1_TOP w2.2: U1.AG15@944.57,893.99 944.57,893.3 949.88,887.99 949.88,884.12 1013.09,820.91 1039.05,794.95 1039.05,770.95 1100,710 1100,665 1104.59,660.41 1104.59,643.65 1136.17,612.08 1162.92,612.08 1348.19,426.81 v1(1362.88,426.81)
  L6_INNER2 w2.2: v1(1362.88,426.81) 1406.32,426.81 1443.48,389.66 1443.48,351.26 1466.49,328.24 v1(1466.49,233.27)
SAI1_RXD1: J5.80 R76.1 U1.AF15 | length 1261.3
  L1_TOP w2.2: v1(1158.98,659.24) 1367.33,450.89 1371.43,450.89 1385.95,436.37 1385.95,360.4 1384.52,358.97 v1(1384.52,281.94)
  L3_INNER1 w2.2: v1(944.57,913.68) 1007.52,850.75 1007.52,715 1007.52,705.91 1155.87,557.57 1157.69,557.57 1158.98,558.85 v1(1158.98,659.24) ; v1(1384.52,281.94) 1392.86,281.94 1451.06,281.94 1482.24,250.76 v1(1482.24,233.27)
  L8_BOT w2.2: R76.1@1439.89,139.66 1482.22,182.03 1482.22,219.25 v1(1482.24,233.27)
SAI1_RXD2: J5.82 R75.1 U1.AG17 | length 982
  L1_TOP w2.2: U1.AG17@983.95,893.99 1143.74,734.2 1156.17,734.2 1175.37,715 1383.05,507.33 1383.05,480.19 1457.86,405.38 1457.86,403.68 1468,393.54 1468,289.57 1497.98,259.59 v1(1497.98,233.27)
  L8_BOT w2.2: R75.1@1479.89,139.66 1497.97,157.76 v1(1497.98,233.27)